# Altium PCB ZYNQ7010_AD9363.PcbDoc (part 2 of 6)
Units mil, origin at the board's own origin, x right, y up, seen from the top; angles counter-clockwise.
Board outline 2907.03 x 3814.03 mil, 4 copper layers (Top Layer, Mid-Layer 1, Mid-Layer 2, Bottom Layer); 298 components, 279 nets, 1517 pads, 915 vias.
Unrouted connection lines stored in the file: 236.
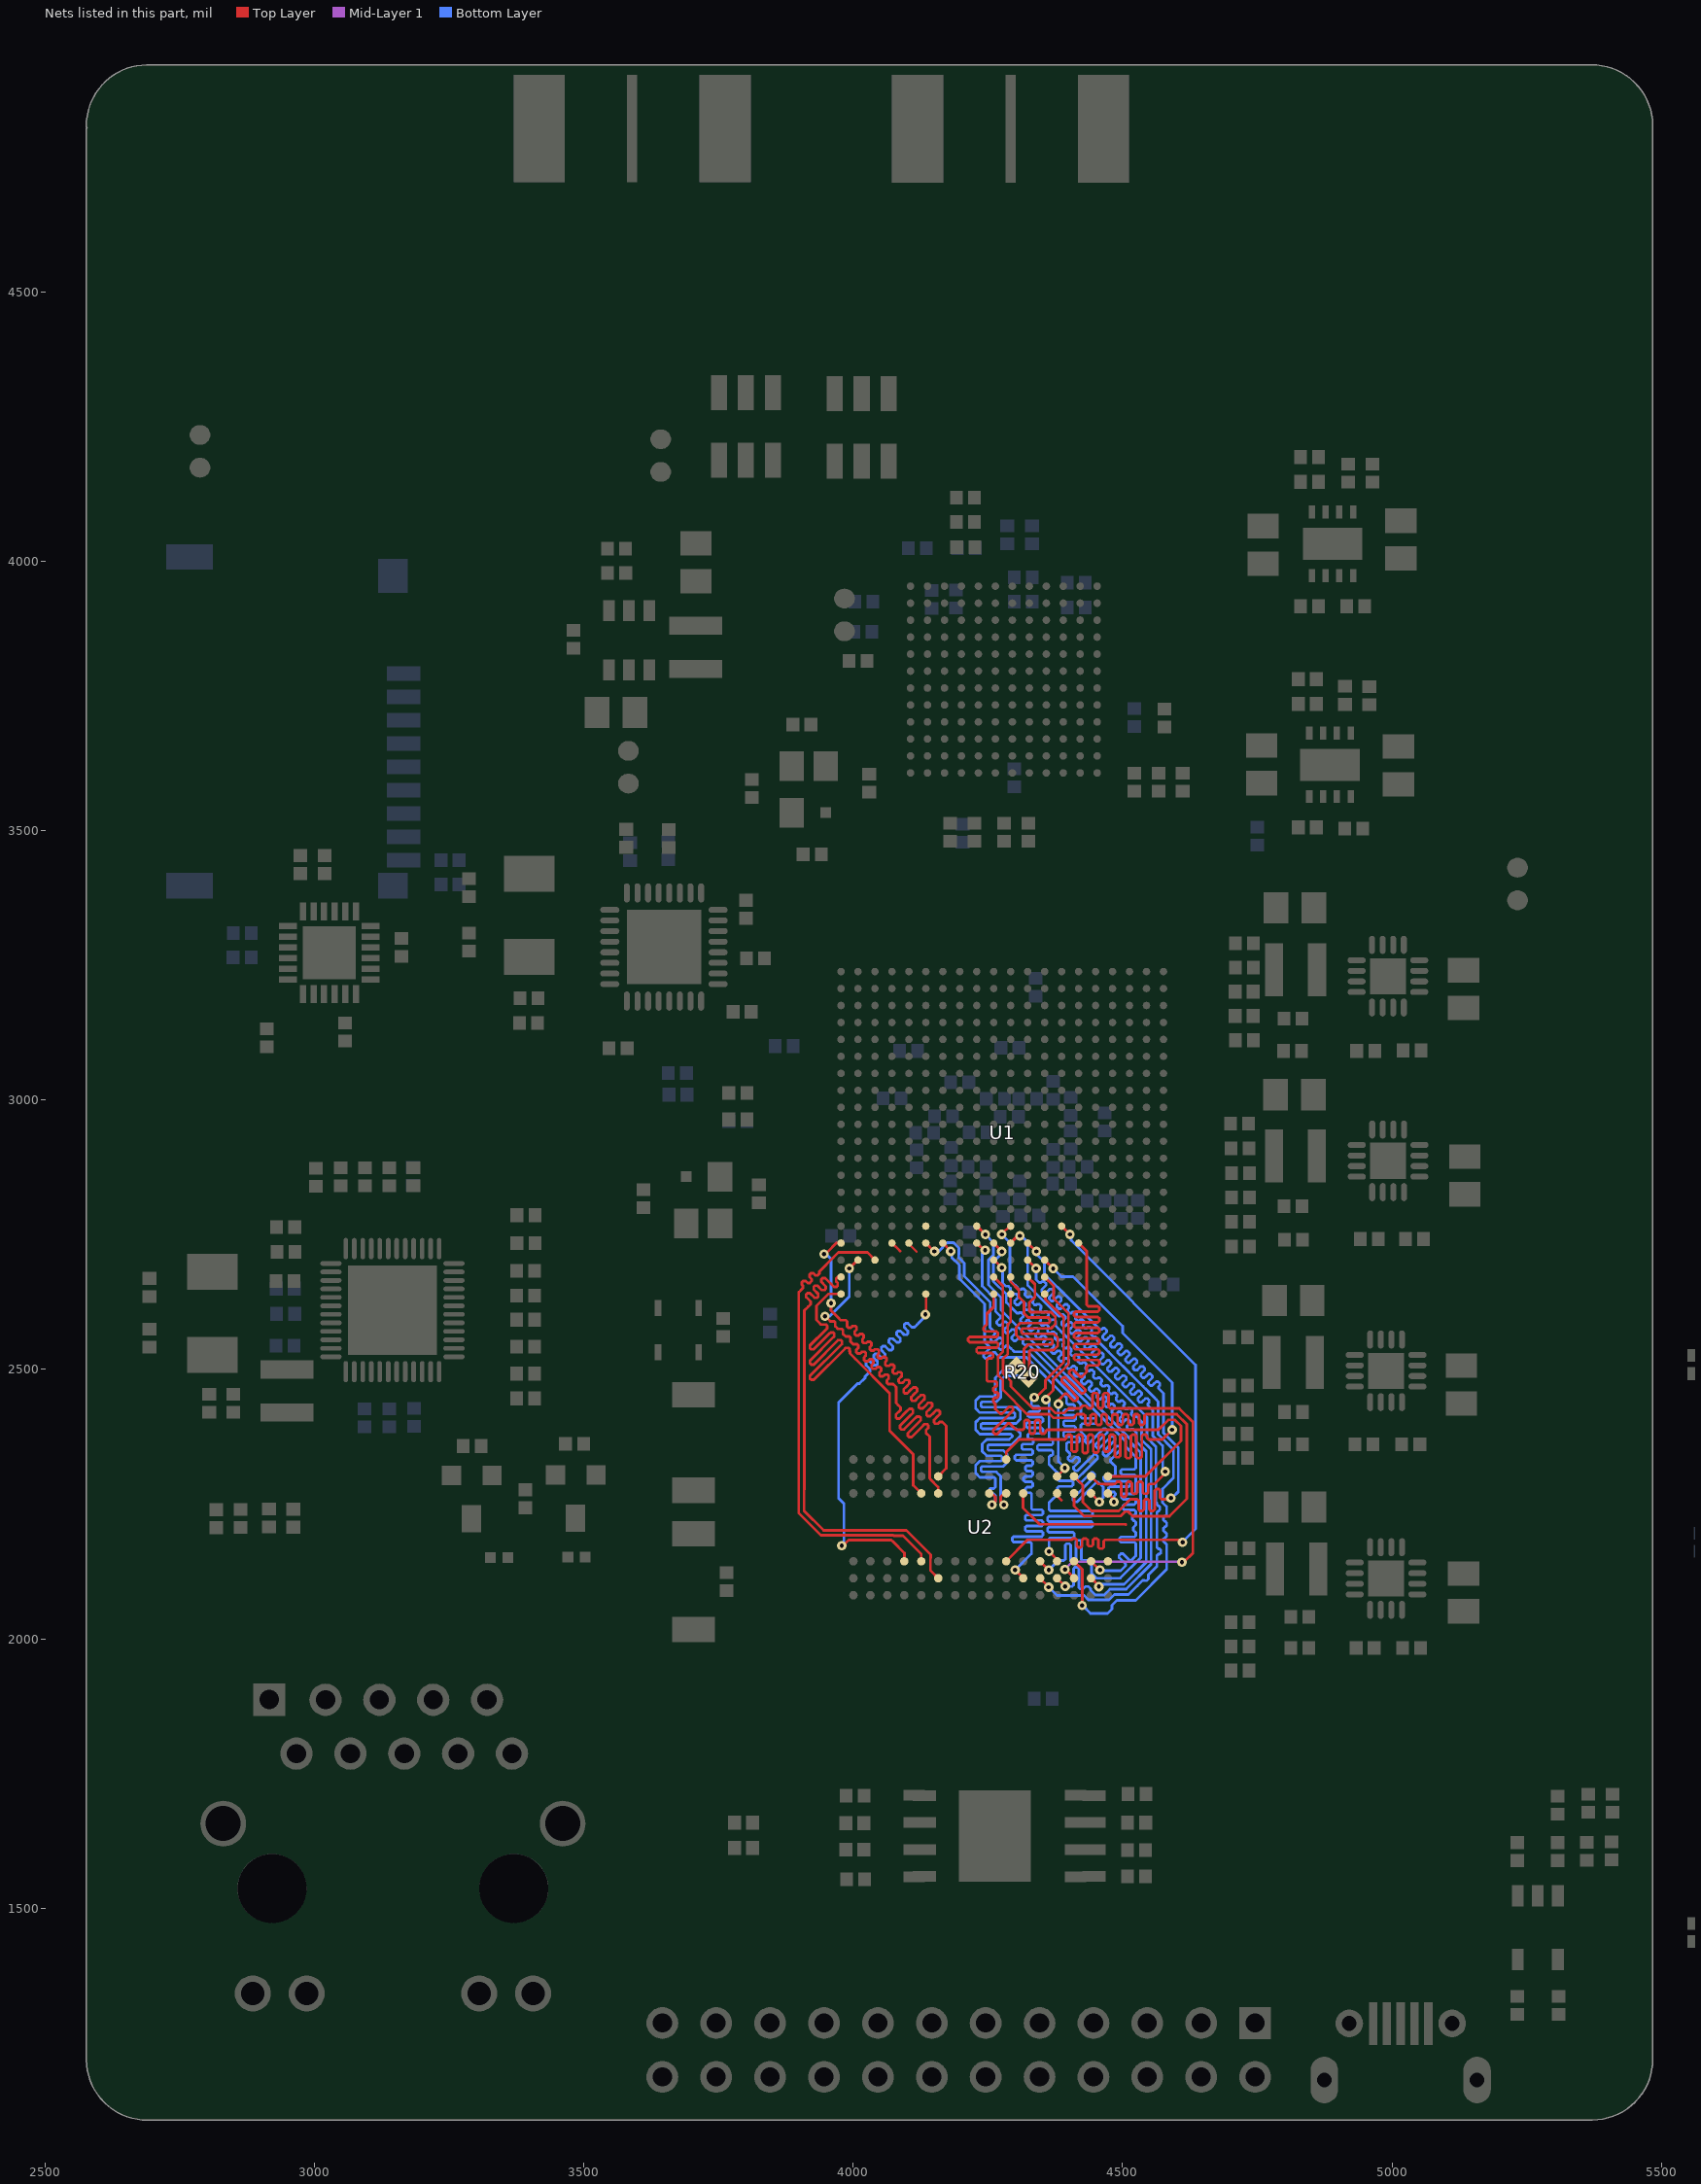
[diagram p4: the nets of this part, all layers, seen from the top]

## Via types
v1: diameter 17.72, hole 7.87, Top Layer to Bottom Layer, tented both sides, 899 vias
v2: diameter 19.68, hole 11.81, Top Layer to Bottom Layer, 16 vias

## Nets (pads, with @x,y where several pads share a name; then routed paths per layer and width w, separated by ;. In a path a pad name is that pad's centre, name@x,y a point inside that pad or via, vN(x,y) a via of type N, cw(c..) or ccw(c..) an arc to the next point about the centre after c; other vN are vias at no path point) (continued)
DDR3_A0: U1.N2 U2.N3 | length 1108.7
  Top Layer w5: U1.N2@4355.26,2671.75 4372.07,2654.94 4372.07,2631.66 4399.78,2603.95 4399.78,2509.92 4371.22,2481.36 4371.22,2461.17 4358,2447.95 v1(4358,2444) ; v1(4363.74,2162.09) 4378.51,2147.31 U2.N3@4378.51,2143.9
  Bottom Layer w5: v1(4358,2444) 4363.63,2438.37 4363.63,2375.06 4363.63,2372.56 4366.13,2370.06 4368.5,2370.06 4371,2367.56 4371,2362.56 4368.5,2360.06 4363.63,2360.06 4344.26,2360.06 4341.76,2357.56 4341.76,2352.56 4344.26,2350.06 4363.63,2350.06 4368.5,2350.06 4371,2347.56 4371,2342.56 4368.5,2340.06 4366.13,2340.06 4363.63,2337.56 4363.63,2330.06 4363.63,2324 4367.17,2320.46 4374.24,2313.39 4379.46,2308.17 4379.46,2303.17 4379.46,2295.67 4381.96,2293.17 4405.8,2293.17 4408.3,2290.67 4408.3,2285.67 4405.8,2283.17 4381.96,2283.17 4379.46,2280.67 4379.46,2273.17 4379.46,2268.34 4375.92,2264.81 4368.85,2257.74 4363.63,2252.52 4363.63,2247.52 4363.63,2240.02 4366.13,2237.52 4442,2237.52 4444.5,2235.02 4444.5,2230.02 4442,2227.52 4363.63,2227.52 4363.51,2227.52 4361.01,2225.02 4361.01,2220.02 4363.51,2217.52 4363.63,2217.52 4442,2217.52 4444.5,2215.02 4444.5,2210.02 4442,2207.52 4363.63,2207.52 4363.51,2207.52 4361.01,2205.02 4361.01,2200.02 4363.51,2197.52 4363.63,2197.52 4408,2197.52 4410.5,2195.02 4410.5,2190.02 4408,2187.52 4366.13,2187.52 4363.63,2185.02 4363.63,2180.9 4363.63,2162.19 v1(4363.74,2162.09)
DDR3_A1: U1.K2 U2.P7 | length 1203.1
  Top Layer w5: U1.K2@4260.77,2671.84 4278.05,2654.56 4278.05,2533.05 4269,2524 4269,2489.05 4278.05,2480 4278.05,2461.9 4322.78,2417.16 4352.06,2417.16 4365,2417.16 4372.16,2410 4408.64,2410 4415.8,2417.16 4420.8,2417.16 4428.3,2417.16 4430.8,2414.66 4430.8,2399.66 4433.3,2397.16 4438.3,2397.16 4440.8,2399.66 4440.8,2414.66 4443.3,2417.16 4448.3,2417.16 4450.8,2414.66 4450.8,2399.66 4453.3,2397.16 4458.3,2397.16 4460.8,2399.66 4460.8,2414.66 4463.3,2417.16 4468.3,2417.16 4470.8,2414.66 4470.8,2399.66 4473.3,2397.16 4478.3,2397.16 4480.8,2399.66 4480.8,2414.66 4483.3,2417.16 4488.3,2417.16 4490.8,2414.66 4490.8,2399.66 4493.3,2397.16 4498.3,2397.16 4500.8,2399.66 4500.8,2414.66 4503.3,2417.16 4508.3,2417.16 4510.8,2414.66 4510.8,2399.66 4513.3,2397.16 4518.3,2397.16 4520.8,2399.66 4520.8,2414.66 4523.3,2417.16 4528.3,2417.16 4530.8,2414.66 4530.8,2399.66 4533.3,2397.16 4538.3,2397.16 4540.8,2399.66 4540.8,2414.66 4543.3,2417.16 4550.8,2417.16 4556.56,2417.16 4600.66,2417.16 4619.42,2398.4 4619.42,2259.98 4587.06,2227.62 4524.45,2227.62 ; U2.P7@4410.01,2270 4410.01,2246.28 4428.81,2227.47 4429.46,2228.11 4497.11,2228.11 4505,2236 4510.54,2236 4518.92,2227.62 4524.45,2227.62 ; 4524.3,2227.47 4524.45,2227.62
DDR3_A2: U1.M3 U2.P3 | length 1129.8
  Top Layer w5: U1.M3@4323.76,2703.34 v1(4339.5,2687.6) ; U2.P3@4410.01,2144 4425.17,2128.84 4425.17,2060.17 4425.93,2060.94 4425,2061.87 v1(4425,2062)
  Bottom Layer w5: v1(4339.5,2687.6) 4339.5,2668.9 4339.5,2667.12 4340.02,2666.6 4345.33,2661.29 4348.86,2661.29 4350.92,2663.35 4354.45,2663.35 4357.99,2659.81 4357.99,2656.28 4354.17,2652.46 4349.88,2648.17 4349.88,2644.64 4353.42,2641.1 4356.95,2641.1 4361.24,2645.38 4365.06,2649.21 4368.59,2649.21 4372.13,2645.67 4372.13,2642.14 4368.31,2638.31 4364.02,2634.03 4364.02,2630.49 4367.56,2626.96 4371.09,2626.96 4375.38,2631.24 4379.2,2635.07 4382.74,2635.07 4386.27,2631.53 4386.27,2627.99 4382.45,2624.17 4378.16,2619.89 4378.16,2616.35 4381.7,2612.82 4385.24,2612.82 4389.52,2617.1 4393.34,2620.92 4396.88,2620.92 4400.41,2617.39 4400.41,2613.85 4398.36,2611.8 4398.36,2608.26 4401.89,2604.73 4405.43,2604.73 4407.49,2606.78 4411.02,2606.78 4414.56,2603.25 4414.56,2599.71 4412.5,2597.66 4412.5,2594.12 4416.04,2590.58 4419.57,2590.58 4421.63,2592.64 4425.16,2592.64 4428.7,2589.1 4428.7,2585.57 4426.64,2583.51 4426.64,2579.98 4430.18,2576.44 4433.71,2576.44 4435.77,2578.5 4439.31,2578.5 4442.84,2574.96 4442.84,2571.43 4440.79,2569.37 4440.79,2565.84 4445.98,2560.65 4446.2,2560.65 4449.74,2560.65 4453.27,2557.11 4453.27,2553.57 4453.27,2553.35 4460.23,2546.39 4467.3,2539.32 4474.37,2532.25 4481.44,2525.18 4488.52,2518.11 4495.59,2511.03 4502.66,2503.96 4509.73,2496.89 4516.8,2489.82 4523.87,2482.75 4530.94,2475.68 4538.01,2468.61 4545.08,2461.54 4552.15,2454.47 4559.23,2447.39 4562.76,2443.86 4566.05,2440.57 4566.05,2379.92 4566.64,2379.33 4566.64,2378.91 4594.43,2351.12 4594.43,2298.43 4574.33,2278.33 4574.33,2252.93 4581.41,2245.86 ; v1(4425,2062) 4425.8,2062 4440.44,2047.36 4472.12,2047.36 4480.31,2055.55 4480.31,2062.12 4489.66,2071.48 4524.38,2071.48 4581.66,2128.76 4581.66,2175.52 4579.16,2178.02 4578.66,2178.02 4576.16,2180.52 4576.16,2185.52 4578.66,2188.02 4579.16,2188.02 4581.66,2190.52 4581.66,2195.52 4579.16,2198.02 4578.66,2198.02 4576.16,2200.52 4576.16,2205.52 4578.66,2208.02 4579.16,2208.02 4581.66,2210.52 4581.66,2215.52 4579.16,2218.02 4578.66,2218.02 4576.16,2220.52 4576.16,2225.52 4578.66,2228.02 4579.16,2228.02 4581.66,2230.52 4581.66,2238.02 4581.66,2243.02 4581.66,2246.11
DDR3_A3: U1.K3 U2.N2 | length 1130.5
  Top Layer w5: U1.K3@4260.91,2704.06 4275.97,2689 v1(4275.83,2688.85) ; U2.N2@4377.79,2113.23 v1(4393.63,2097.4) v1@4396.15,2097.4
  Bottom Layer w5: v1(4275.83,2688.85) 4277.62,2687.06 4277.62,2660.75 4283.97,2654.4 4284.64,2654.4 4288.18,2654.4 4291.71,2650.87 4291.71,2647.33 4291.71,2646.66 4298.11,2640.26 4298.78,2640.26 4302.32,2640.26 4305.85,2636.72 4305.85,2633.19 4305.52,2632.85 4299.68,2627.01 4299.68,2623.47 4303.21,2619.94 4306.75,2619.94 4312.59,2625.78 4312.93,2626.12 4316.46,2626.12 4320,2622.58 4320,2619.05 4319.66,2618.71 4318.32,2617.37 4318.32,2613.83 4321.85,2610.29 4325.39,2610.29 4326.73,2611.64 4327.07,2611.98 4330.6,2611.98 4334.14,2608.44 4334.14,2604.9 4333.8,2604.57 4332.46,2603.22 4332.46,2599.69 4335.99,2596.15 4339.53,2596.15 4340.87,2597.5 4341.21,2597.83 4344.75,2597.83 4348.28,2594.3 4348.28,2590.76 4347.94,2590.43 4346.6,2589.08 4346.6,2585.55 4350.14,2582.01 4353.67,2582.01 4355.02,2583.36 4355.35,2583.69 4358.89,2583.69 4362.42,2580.16 4362.42,2576.62 4362.09,2576.28 4360.74,2574.94 4360.74,2571.4 4364.28,2567.87 4367.81,2567.87 4369.16,2569.21 4369.49,2569.55 4373.03,2569.55 4376.56,2566.01 4376.56,2562.48 4376.23,2562.14 4374.88,2560.8 4374.88,2557.26 4378.42,2553.73 4381.96,2553.73 4383.3,2555.07 4383.64,2555.41 4387.17,2555.41 4390.71,2551.87 4390.71,2548.34 4390.37,2548 4389.03,2546.66 4389.03,2543.12 4392.56,2539.58 4396.1,2539.58 4397.44,2540.93 4397.78,2541.26 4401.31,2541.26 4404.85,2537.73 4404.85,2534.19 4404.51,2533.86 4403.17,2532.51 4403.17,2528.98 4406.7,2525.44 4410.24,2525.44 4411.58,2526.79 4411.92,2527.12 4415.46,2527.12 4418.99,2523.59 4418.99,2520.05 4418.66,2519.72 4417.31,2518.37 4417.31,2514.84 4420.85,2511.3 4424.38,2511.3 4425.73,2512.64 4426.06,2512.98 4429.6,2512.98 4433.13,2509.45 4433.13,2505.91 4432.8,2505.57 4431.45,2504.23 4431.45,2500.69 4434.99,2497.16 4438.52,2497.16 4439.87,2498.5 4440.2,2498.84 4443.74,2498.84 4447.28,2495.3 4447.28,2491.77 4446.94,2491.43 4445.59,2490.09 4445.59,2486.55 4449.13,2483.02 4452.67,2483.02 4454.01,2484.36 4454.35,2484.7 4457.88,2484.7 4461.42,2481.16 4461.42,2477.63 4461.08,2477.29 4459.74,2475.94 4459.74,2472.41 4463.27,2468.87 4466.81,2468.87 4468.15,2470.22 4468.49,2470.55 4472.02,2470.55 4475.56,2467.02 4475.56,2463.48 4475.22,2463.15 4473.88,2461.8 4473.88,2458.27 4477.41,2454.73 4480.95,2454.73 4482.3,2456.08 4482.63,2456.41 4486.17,2456.41 4489.7,2452.88 4489.7,2449.34 4489.37,2449.01 4488.02,2447.66 4488.02,2444.12 4491.56,2440.59 4495.09,2440.59 4496.44,2441.93 4496.77,2442.27 4500.31,2442.27 4503.84,2438.73 4503.84,2435.2 4503.51,2434.86 4502.16,2433.52 4502.16,2429.98 4505.7,2426.45 4509.23,2426.45 4510.58,2427.79 4510.92,2428.13 4514.45,2428.13 4517.99,2424.59 4517.99,2421.06 4517.65,2420.72 4516.31,2419.38 4516.31,2415.84 4519.84,2412.3 4523.38,2412.3 4526.07,2412.3 4531.79,2406.58 4535.33,2403.04 4535.33,2395.19 4535.33,2385.19 4535.33,2380.19 4535.33,2369.36 4553,2351.68 4553,2138.64 4506.84,2092.48 4476.48,2092.48 4465.64,2081.64 4449.64,2081.64 4440.64,2090.64 4440.64,2092.94 4436.18,2097.4 4431.43,2097.4 4428.93,2094.9 4428.93,2095.09 4426.43,2092.61 4421.43,2092.61 4418.93,2095.11 4418.93,2097.4 4418.93,2130.35 4416.43,2132.85 4411.43,2132.85 4408.93,2130.35 4408.93,2099.9 4406.43,2097.4 4403.93,2097.4 v1(4393.63,2097.4)
DDR3_A4: U1.M4 U2.P8 | length 1124.9
  Top Layer w5: U1.M4@4323.76,2734.84 4339.45,2719.15 v1(4340.08,2719.15) ; U2.P8@4410.01,2301.49 4426.36,2285.14 4426.36,2253.92 4442.8,2237.47 4492.97,2237.47 4496.51,2241.01 4503.58,2248.08 4510.65,2255.15 4514.8,2259.29 4519.8,2259.29 4527.3,2259.29 4529.8,2256.79 4529.8,2240.12 4532.3,2237.62 4537.3,2237.62 4539.8,2240.12 4539.8,2256.79 4542.3,2259.29 4547.3,2259.29 4549.8,2256.79 4549.8,2240.12 4552.3,2237.62 4557.3,2237.62 4559.8,2240.12 4559.8,2259.29 4559.8,2275.52 4562.3,2278.02 4567.3,2278.02 4569.8,2275.52 4569.8,2261.79 4572.3,2259.29 4572.47,2259.29 4589.69,2259.29 v1(4589.69,2261.41)
  Bottom Layer w5: v1(4340.08,2719.15) 4340.08,2715.01 4339.91,2714.84 4355.03,2699.72 4355.03,2676.91 4401.72,2630.23 4457.61,2574.33 4461.14,2574.33 4463.34,2576.53 4466.88,2576.53 4470.41,2572.99 4470.41,2569.46 4466.45,2565.5 4463.15,2562.2 4463.15,2558.66 4466.69,2555.13 4470.22,2555.13 4473.52,2558.42 4477.48,2562.39 4481.02,2562.39 4484.55,2558.85 4484.55,2555.32 4480.59,2551.35 4477.29,2548.06 4477.29,2544.52 4480.83,2540.99 4484.36,2540.99 4487.66,2544.28 4491.62,2548.25 4495.16,2548.25 4498.69,2544.71 4498.69,2541.18 4494.73,2537.21 4491.44,2533.92 4491.44,2530.38 4494.97,2526.84 4498.51,2526.84 4501.8,2530.14 4505.77,2534.1 4509.3,2534.1 4512.84,2530.57 4512.84,2527.03 4508.87,2523.07 4505.58,2519.77 4505.58,2516.24 4509.11,2512.7 4512.65,2512.7 4515.94,2516 4519.91,2519.96 4523.44,2519.96 4526.98,2516.43 4526.98,2512.89 4523.02,2508.93 4519.72,2505.63 4519.72,2502.1 4523.26,2498.56 4526.79,2498.56 4530.09,2501.86 4534.05,2505.82 4537.59,2505.82 4541.12,2502.28 4541.12,2498.75 4537.16,2494.78 4533.86,2491.49 4533.86,2487.95 4537.4,2484.42 4540.93,2484.42 4544.23,2487.71 4548.19,2491.68 4551.73,2491.68 4555.26,2488.14 4555.26,2484.61 4551.3,2480.64 4548,2477.35 4548,2473.81 4551.54,2470.28 4555.07,2470.28 4558.37,2473.57 4562.33,2477.54 4565.87,2477.54 4569.41,2474 4569.41,2470.46 4567.21,2468.27 4567.21,2464.73 4572.51,2459.43 4576.05,2455.89 4576.05,2382.23 4603.43,2354.85 4603.43,2273.03 4592.82,2262.42 4590.7,2262.42 v1(4589.69,2261.41)
DDR3_A5: U1.L1 U2.P2 | length 1176.6
  Top Layer w5: U1.L1@4292.48,2640 4292.48,2589.48 4287.05,2584.05 4287.05,2529 4278.44,2520.39 4278.44,2492.56 4292.63,2478.37 4292.63,2468.51 4333.25,2427.89 4367.01,2427.89 4368.73,2426.16 4375.89,2419 4391,2419 4399.89,2427.89 4419.07,2427.89 4421.57,2427.89 4424.07,2430.39 4426.57,2432.89 4431.57,2432.89 4434.07,2430.39 4436.57,2427.89 4441.57,2427.89 4444.07,2430.39 4444.07,2453.79 4446.57,2456.29 4451.57,2456.29 4454.07,2453.79 4454.07,2430.39 4456.57,2427.89 4461.57,2427.89 4464.07,2430.39 4464.07,2453.79 4466.57,2456.29 4471.57,2456.29 4474.07,2453.79 4474.07,2430.39 4476.57,2427.89 4535.63,2427.89 4605.16,2427.89 4630.49,2402.55 4630.49,2158.88 4614.05,2142.43 v1(4610.33,2142.43) ; v1@4395.28,2126.56 4397.05,2126.56 U2.P2@4410.37,2113.23
  Mid-Layer 1 w5: v1(4393.15,2128.88) 4407.62,2143.36 4609.41,2143.36 v1(4610.33,2142.43)
DDR3_A6: U1.L4 U2.R8 | length 1128.9
  Top Layer w5: U1.L4@4292.27,2734.84 4307.6,2750.18 v1@4310.19,2747.59 ; v1(4309.41,2747.92) v1@4309.87,2747.92 ; U2.R8@4441.5,2301.49 4455.38,2287.61 4466.55,2287.61 4467.05,2287.11 4482.02,2287.11 4482.52,2287.61 4486.14,2287.61 4487.52,2288.99 4490.02,2291.49 4495.02,2291.49 4497.52,2288.99 4497.52,2287.61 4497.52,2266.15 4500.02,2263.65 4505.02,2263.65 4507.52,2266.15 4507.52,2287.61 4507.52,2288.99 4510.02,2291.49 4515.02,2291.49 4517.52,2288.99 4517.52,2287.61 4517.52,2271.79 4520.02,2269.29 4525.02,2269.29 4527.52,2271.79 4527.52,2287.61 4527.52,2288.99 4530.02,2291.49 4535.02,2291.49 4537.52,2288.99 4537.52,2287.61 4537.52,2271.79 4540.02,2269.29 4545.02,2269.29 4547.52,2271.79 4547.52,2285.11 4550.02,2287.61 4557.52,2287.61 4559.5,2287.61 4559.95,2288.06 4580.66,2308.77 4580.66,2310.48 v1(4579.07,2310.48)
  Bottom Layer w5: v1(4309.41,2747.92) 4312.27,2747.92 4324,2736.19 4324,2656.38 4324.5,2655.87 4381.04,2599.34 4384.57,2599.34 4386.89,2601.66 4390.43,2601.66 4393.97,2598.12 4393.97,2594.59 4389.88,2590.5 4387.08,2587.7 4387.08,2584.17 4390.62,2580.63 4394.16,2580.63 4396.95,2583.43 4401.04,2587.51 4404.57,2587.51 4408.11,2583.98 4408.11,2580.44 4404.02,2576.36 4401.23,2573.56 4401.23,2570.03 4404.76,2566.49 4408.3,2566.49 4411.09,2569.28 4415.18,2573.37 4418.71,2573.37 4422.25,2569.84 4422.25,2566.3 4418.16,2562.21 4415.37,2559.42 4415.37,2555.88 4418.9,2552.35 4422.44,2552.35 4425.23,2555.14 4429.32,2559.23 4432.86,2559.23 4436.39,2555.69 4436.39,2552.16 4432.3,2548.07 4429.51,2545.28 4429.51,2541.74 4433.05,2538.21 4436.58,2538.21 4439.38,2541 4443.46,2545.09 4447,2545.09 4450.53,2541.55 4450.53,2538.02 4446.45,2533.93 4443.65,2531.14 4443.65,2527.6 4447.19,2524.07 4450.72,2524.07 4453.52,2526.86 4457.6,2530.95 4461.14,2530.95 4464.68,2527.41 4464.68,2523.87 4460.59,2519.79 4457.8,2516.99 4457.8,2513.46 4461.33,2509.92 4464.87,2509.92 4467.66,2512.72 4471.75,2516.8 4475.28,2516.8 4478.82,2513.27 4478.82,2509.73 4474.73,2505.65 4471.94,2502.85 4471.94,2499.32 4475.47,2495.78 4479.01,2495.78 4481.8,2498.57 4485.89,2502.66 4489.42,2502.66 4492.96,2499.13 4492.96,2495.59 4488.87,2491.5 4486.08,2488.71 4486.08,2485.17 4489.62,2481.64 4493.15,2481.64 4495.94,2484.43 4500.03,2488.52 4503.57,2488.52 4507.1,2484.98 4507.1,2481.45 4503.02,2477.36 4500.22,2474.57 4500.22,2471.03 4503.76,2467.5 4507.29,2467.5 4510.09,2470.29 4514.17,2474.38 4517.71,2474.38 4521.24,2470.84 4521.24,2467.31 4517.16,2463.22 4514.36,2460.43 4514.36,2456.89 4517.9,2453.35 4521.44,2453.35 4524.23,2456.15 4528.32,2460.23 4531.85,2460.23 4535.39,2456.7 4535.39,2453.16 4531.3,2449.08 4528.51,2446.28 4528.51,2442.75 4532.04,2439.21 4535.58,2439.21 4538.37,2442.01 4542.46,2446.09 4545.99,2446.09 4549.53,2442.56 4549.53,2439.02 4547.21,2436.7 4547.21,2433.17 4552.51,2427.86 4556.05,2424.33 4556.05,2376.78 4574.5,2358.32 4574.5,2316.64 4579.07,2312.07 v1(4579.07,2310.48)
DDR3_A7: U1.K4 U2.R2 | length 1128.6
  Top Layer w5: U1.K4@4260.27,2734.84 4275.67,2719.44 4275.67,2718.82 v1(4275.83,2718.82) ; U2.R2@4441.01,2112.51 4442,2112.51 4456.98,2097.54 4456.51,2098 4456,2097.49 v1(4456,2097)
  Bottom Layer w5: v1(4275.83,2718.82) 4275.83,2715.1 4260.47,2699.74 4260.47,2663.27 4284.38,2639.35 4284.38,2624.14 4295.92,2612.59 4304.09,2604.43 4307.63,2604.43 4308.59,2605.39 4312.12,2605.39 4315.66,2601.85 4315.66,2598.32 4312.93,2595.59 4310.57,2593.23 4310.57,2589.7 4314.11,2586.16 4317.65,2586.16 4320,2588.52 4322.73,2591.25 4326.27,2591.25 4329.8,2587.71 4329.8,2584.17 4327.07,2581.44 4324.72,2579.09 4324.72,2575.55 4328.25,2572.02 4331.79,2572.02 4334.14,2574.37 4336.87,2577.1 4340.41,2577.1 4343.94,2573.57 4343.94,2570.03 4341.21,2567.3 4338.86,2564.95 4338.86,2561.41 4342.39,2557.88 4345.93,2557.88 4348.28,2560.23 4351.01,2562.96 4354.55,2562.96 4358.09,2559.43 4358.09,2555.89 4355.36,2553.16 4353,2550.81 4353,2547.27 4356.54,2543.73 4360.07,2543.73 4362.43,2546.09 4365.16,2548.82 4368.69,2548.82 4372.23,2545.28 4372.23,2541.75 4369.5,2539.02 4367.14,2536.66 4367.14,2533.13 4370.68,2529.59 4374.21,2529.59 4376.57,2531.95 4379.3,2534.68 4382.83,2534.68 4386.37,2531.14 4386.37,2527.61 4383.64,2524.88 4381.28,2522.52 4381.28,2518.99 4384.82,2515.45 4388.36,2515.45 4390.71,2517.81 4393.44,2520.53 4396.98,2520.53 4400.51,2517 4400.51,2513.46 4397.78,2510.73 4395.43,2508.38 4395.43,2504.84 4398.96,2501.31 4402.5,2501.31 4404.85,2503.66 4407.58,2506.39 4411.12,2506.39 4414.65,2502.86 4414.65,2499.32 4411.92,2496.59 4409.57,2494.24 4409.57,2490.7 4413.1,2487.17 4416.64,2487.17 4419,2489.52 4421.73,2492.25 4425.26,2492.25 4428.8,2488.71 4428.8,2485.18 4426.07,2482.45 4423.71,2480.09 4423.71,2476.56 4427.25,2473.02 4430.78,2473.02 4433.14,2475.38 4435.87,2478.11 4439.4,2478.11 4442.94,2474.57 4442.94,2471.04 4440.21,2468.31 4437.85,2465.95 4437.85,2462.42 4441.39,2458.88 4444.92,2458.88 4447.28,2461.24 4450.01,2463.97 4453.55,2463.97 4457.08,2460.43 4457.08,2456.9 4454.35,2454.17 4452,2451.81 4452,2448.27 4455.53,2444.74 4459.07,2444.74 4461.42,2447.09 4464.15,2449.82 4467.69,2449.82 4471.22,2446.29 4471.22,2442.75 4468.49,2440.02 4466.14,2437.67 4466.14,2434.13 4469.67,2430.6 4473.21,2430.6 4475.56,2432.95 4478.29,2435.68 4481.83,2435.68 4485.36,2432.15 4485.36,2428.61 4482.64,2425.88 4480.28,2423.53 4480.28,2419.99 4483.82,2416.45 4487.35,2416.45 4489.71,2418.81 4492.44,2421.54 4495.97,2421.54 4499.51,2418 4499.51,2414.47 4496.78,2411.74 4494.42,2409.38 4494.42,2405.85 4497.96,2402.31 4501.49,2402.31 4503.85,2404.67 4506.58,2407.4 4510.11,2407.4 4513.65,2403.86 4513.65,2400.33 4510.92,2397.6 4508.56,2395.24 4508.56,2391.71 4512.1,2388.17 4515.64,2388.17 4516.22,2388.76 4519.76,2388.76 4521.53,2386.99 4525.55,2382.96 4525.55,2366.45 4526.33,2365.67 4544,2347.96 4544,2142.37 4503.11,2101.48 4461.74,2101.48 4458.26,2098 4457.26,2097 v1(4456,2097)
DDR3_A8: U1.K1 U2.T8 | length 1215.7
  Top Layer w5: 4261.71,2437.73 4264.1,2435.34 4264.1,2427.73 4264.1,2426.54 4267.64,2423 4272.94,2417.7 4276.48,2417.7 4289.81,2431.03 4293.34,2431.03 4296.88,2427.49 4296.88,2423.96 4281.78,2408.86 4259.93,2387.01 4259.93,2383.48 4263.47,2379.94 4267,2379.94 4287.08,2400.02 4290.62,2400.02 4295.92,2394.72 4302.48,2388.16 4307.48,2388.16 4314.98,2388.16 4317.48,2390.66 4317.48,2403.65 4319.98,2406.15 4324.98,2406.15 4327.48,2403.65 4327.48,2388.16 4327.48,2383.49 4329.98,2380.99 4334.98,2380.99 4337.48,2383.49 4337.48,2388.16 4337.48,2403.65 4339.98,2406.15 4344.98,2406.15 4347.48,2403.65 4347.48,2388.16 4347.48,2383.49 4349.98,2380.99 4354.98,2380.99 4357.48,2383.49 4357.48,2385.66 4359.98,2388.16 4364.08,2388.16 4566.58,2388.16 4584.83,2406.42 4597.26,2406.42 4608.25,2395.43 4608.25,2367.66 4542.08,2301.49 U2.T8@4473,2301.49 ; 4261.8,2437.73 4262.64,2437.73 ; 4262.73,2437.73 4260.23,2440.23 4260.23,2445.23 4262.73,2447.73 4264.1,2447.73 4267.09,2447.73 4269.59,2450.23 4269.59,2455.23 4267.09,2457.73 4264.1,2457.73 4262.73,2457.73 4260.23,2460.23 4260.23,2465.23 4262.73,2467.73 4264.1,2467.73 4264.53,2467.73 4267.03,2470.23 4267.03,2475.23 4264.53,2477.73 4264.1,2477.73 4250.61,2477.73 4248.11,2480.23 4248.11,2485.23 4248.11,2505 4248.11,2517.5 4251.11,2520.5 4257,2520.5 4260,2523.5 4260,2527.5 4257,2530.5 4232.1,2530.5 4229.1,2533.5 4229.1,2537.5 4232.1,2540.5 4266.05,2540.5 4269.05,2543.5 4269.05,2547.5 4266.05,2550.5 4216.61,2550.5 4213.61,2553.5 4213.61,2557.5 4216.61,2560.5 4266.05,2560.5 4269.05,2563.5 4269.05,2567.5 4266.05,2570.5 4245.09,2570.5 4242.09,2573.5 4242.09,2577.5 4245.09,2580.5 4248.11,2583.5 4248.11,2603.19 4260.77,2615.84 4260.77,2640.35 U1.K1@4264.1,2637.02